# KiCad board data-center-rdimm-ddr4-tester.kicad_pcb (continued)
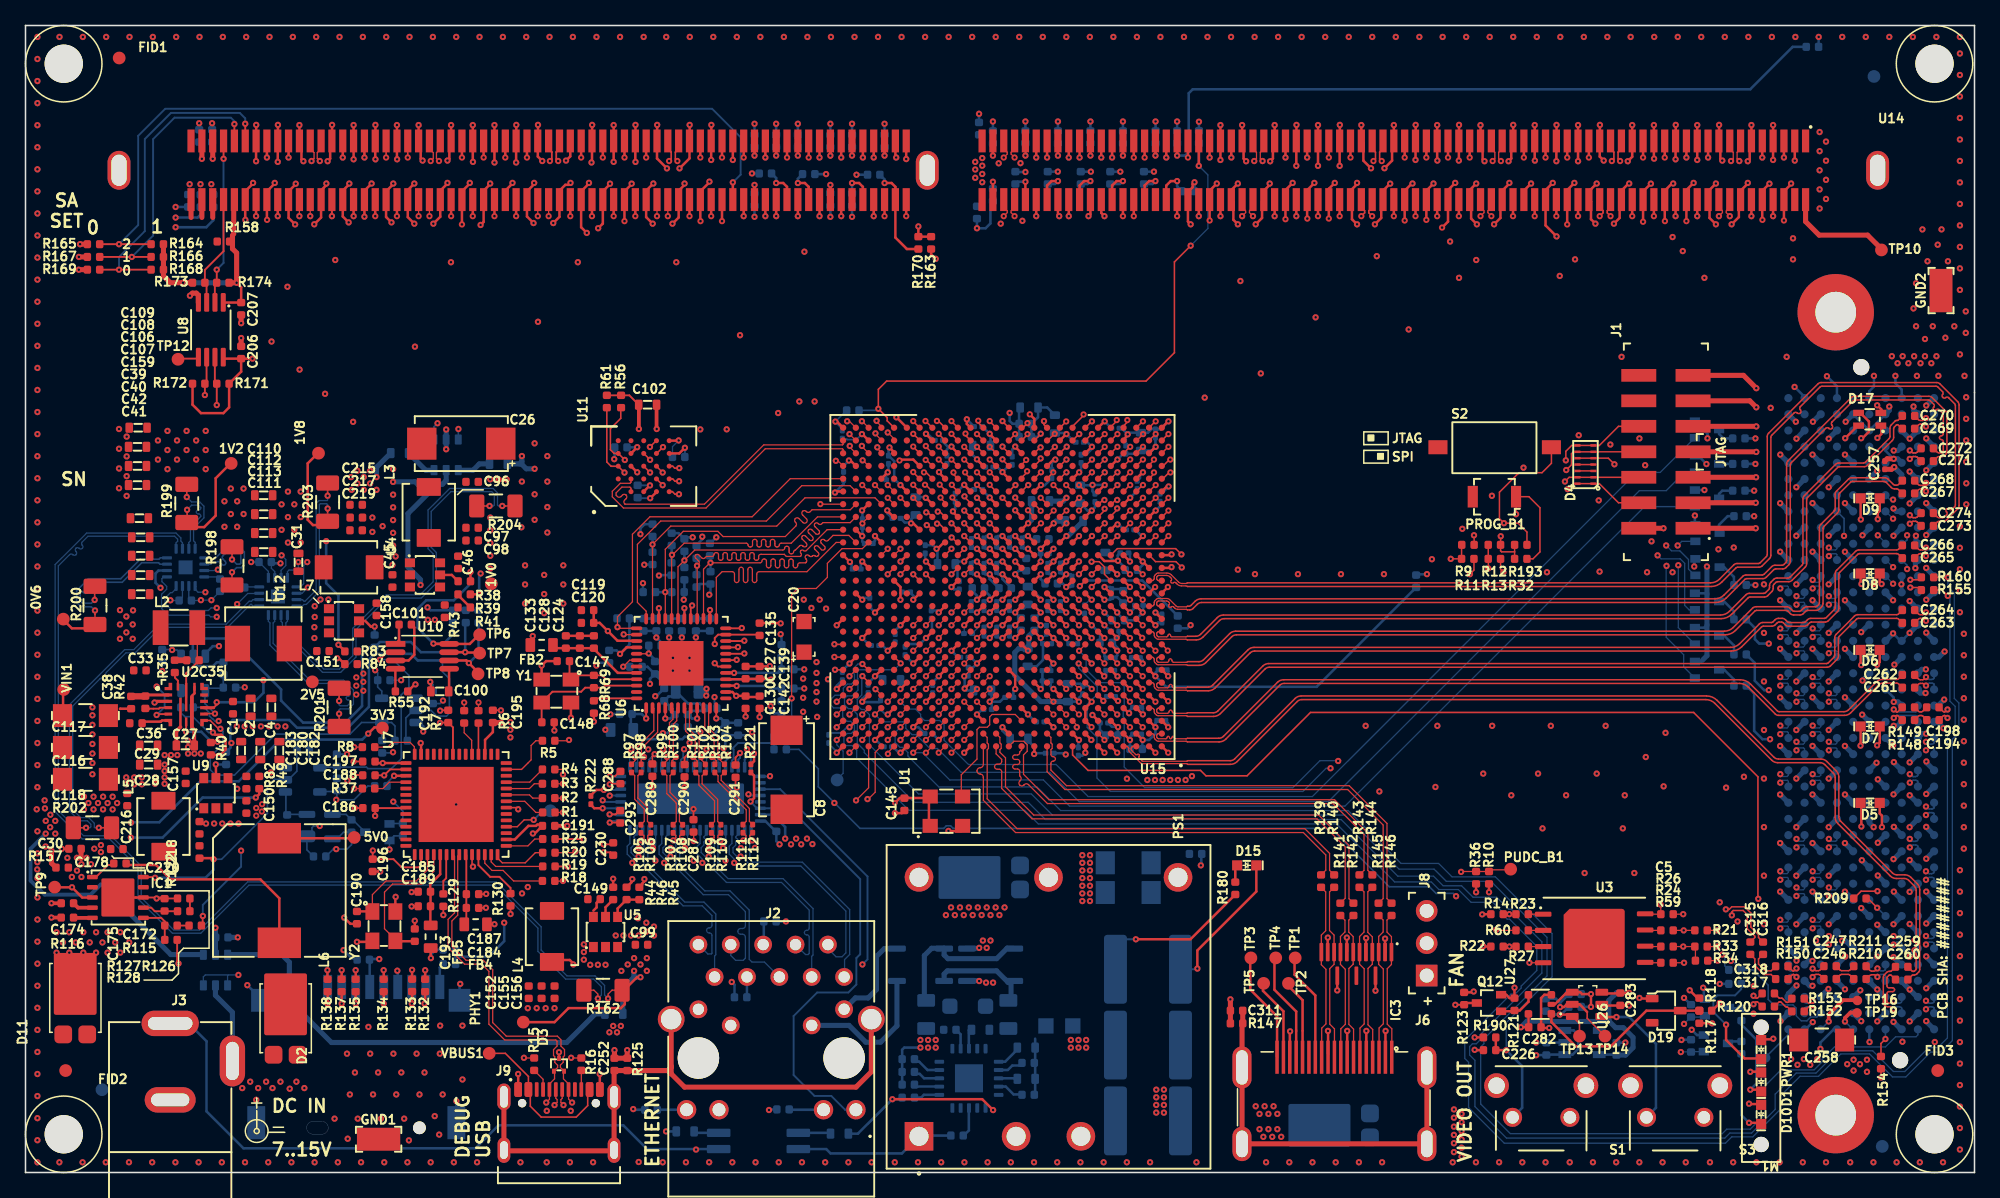
[diagram p0: board, top side]
## Routing (per net, layer and track width the routed paths; a pad name or vN(x,y) marks a point on that pad's centre or on a via; arc(x,y) is an arc through that point) (continued)
EXT_ETH4_N: length 104.8
  In7.Cu w0.1: v1(141.46,26.17) 141.28,25.99 141.03,25.99 140.11,25.08 138.56,25.08 138.23,25.4 136.96,25.4 134.57,27.79 94.49,27.79 93.92,27.22 78.82,27.22 78,26.4 77.54,26.4 arc(77.19,26.25) 77.04,25.9 77.04,25.49 arc(76.98,25.35) 76.84,25.29 arc(76.7,25.35) 76.64,25.49 76.64,27.01 arc(76.49,27.36) 76.14,27.51 arc(75.79,27.36) 75.64,27.01 75.64,25.49 arc(75.58,25.35) 75.44,25.29 arc(75.3,25.35) 75.24,25.49 75.24,27.01 arc(75.09,27.36) 74.74,27.51 arc(74.39,27.36) 74.24,27.01 74.24,25.49 arc(74.18,25.35) 74.04,25.29 arc(73.9,25.35) 73.84,25.49 73.84,27.01 arc(73.69,27.36) 73.34,27.51 arc(72.99,27.36) 72.84,27.01 72.84,26.6 arc(72.78,26.46) 72.64,26.4 72,26.4 71.18,27.22 68.1,27.22 65.73,24.85 58.59,24.85 58.14,24.4 56.85,24.4 arc(56.78,24.43) 56.75,24.5 56.75,24.52 arc(56.72,24.59) 56.65,24.62 arc(56.58,24.59) 56.55,24.52 56.55,24.5 arc(56.52,24.43) 56.45,24.4 56.2,24.4 56.09,24.51 v1(56.09,24.8)
  Bottom w0.1: 142.09,26.47 142.09,26.09 141.99,25.99 141.64,25.99 v1(141.46,26.17) ; v1(56.09,24.8) 55.81,24.8 55.5,25.1 55.5,25.48 55.71,25.69 55.71,25.94 arc(55.74,25.99) 55.79,26.01 arc(55.84,26.03) 55.86,26.09 55.86,26.14 arc(55.84,26.19) 55.79,26.21 arc(55.74,26.23) 55.71,26.29 55.71,26.34 55.91,26.54 55.91,26.85
EXT_ETH4_P: length 104.8
  In7.Cu w0.1: v1(141.46,25.51) 141.28,25.69 141.15,25.69 140.24,24.78 138.44,24.78 138.11,25.1 136.83,25.1 134.44,27.49 94.61,27.49 94.05,26.92 78.95,26.92 78.12,26.1 77.54,26.1 arc(77.4,26.04) 77.34,25.9 77.34,25.49 arc(77.19,25.14) 76.84,24.99 arc(76.49,25.14) 76.34,25.49 76.34,27.01 arc(76.28,27.15) 76.14,27.21 arc(76,27.15) 75.94,27.01 75.94,25.49 arc(75.79,25.14) 75.44,24.99 arc(75.09,25.14) 74.94,25.49 74.94,27.01 arc(74.88,27.15) 74.74,27.21 arc(74.6,27.15) 74.54,27.01 74.54,25.49 arc(74.39,25.14) 74.04,24.99 arc(73.69,25.14) 73.54,25.49 73.54,27.01 arc(73.48,27.15) 73.34,27.21 arc(73.2,27.15) 73.14,27.01 73.14,26.6 arc(72.99,26.25) 72.64,26.1 71.88,26.1 71.06,26.92 68.22,26.92 65.85,24.55 58.71,24.55 58.26,24.1 56.08,24.1 55.88,24.3 v1(55.6,24.3)
  Bottom w0.1: v1(55.6,24.3) 55.6,24.58 55.2,24.98 55.2,25.6 55.41,25.82 55.41,26.85 ; v1(141.46,25.51) 141.64,25.69 142.02,25.69 142.09,25.62 J5.G12
EXT_LED_LINK: length 101.6
  In7.Cu w0.15: v1(65.65,16.33) 67.76,16.33 68.89,15.2 73.72,15.2 74.22,15.7 76.55,15.7 77.05,15.2 85.94,15.2 90.34,19.6 92.06,19.6 93.62,21.16 95.46,21.16 96.88,22.58 130.15,22.58 134.62,18.1 138.7,18.1 139.4,17.4 140.97,17.4 v1(141.46,17.89)
  Bottom w0.1: 142.09,17.58 142.09,18 142.02,18.07 141.64,18.07 v1(141.46,17.89)
  Bottom w0.15: v1(65.65,16.33) 66.05,16.72 66.05,23.22 59.2,30.08 U16.23
EXT_LED_SPD: length 113.5
  In7.Cu w0.15: v1(141.46,18.55) 140.69,17.78 139.72,17.78 138.99,18.51 134.84,18.51 130.41,22.94 96.56,22.94 95.44,21.81 93.34,21.81 91.84,20.31 90.06,20.31 85.8,16.05 69.07,16.05 65.43,19.7 60.93,19.7 60.5,20.12 59.03,20.12 58.6,19.7 50.98,19.7 49.24,21.44 47.72,21.44 47.01,22.15 47.01,28.33 46.38,28.96 45.52,28.96 v1(45.27,29.2)
  Bottom w0.1: J5.G7 142.09,18.47 141.99,18.37 141.64,18.37 v1(141.46,18.55)
  Bottom w0.15: 46.69,29.08 45.4,29.08 v1(45.27,29.2)
FCS_B: length 61.4
  Top w0.1: R23.2 v1(116.39,20.27) R14.2 ; U15.C23 v1(66.64,34.94)
  In9.Cu w0.1: 116.42,23.43 111.91,27.94 84.26,27.94 80.6,31.6 67.12,31.6 66.64,32.09 66.64,33.19 66.2,33.62 66.2,34.1 66.64,34.53 v1(66.64,34.94) ; 116.42,20.28 116.42,23.43
FMC_IO_0: length 95.5
  Top w0.1: v3(74.64,41.94) U15.K15
  In5.Cu w0.09: v3(74.64,41.94) 75.03,42.33 76.8,42.33 77.13,42.01 77.13,41.68 77.56,41.25 81.65,41.25 82.37,40.53
  In5.Cu w0.1: v1(142.65,49.95) 142.25,49.55 141.05,49.55 140.65,49.15 140.03,49.15 139.63,48.75 138.4,48.75 137.94,48.29 137.14,48.29 136.3,47.45 134.75,47.45 132.2,44.9 96.9,44.9 96.23,44.23 arc(96.1,44.18) 95.98,44.23 95.89,44.32 arc(95.76,44.37) 95.64,44.32 arc(95.59,44.19) 95.64,44.07 96.07,43.64 arc(96.12,43.52) 96.07,43.39 arc(95.95,43.34) 95.82,43.39 95.39,43.82 arc(95.27,43.87) 95.15,43.82 arc(95.09,43.7) 95.15,43.58 95.58,43.15 arc(95.63,43.02) 95.58,42.9 arc(95.45,42.85) 95.33,42.9 94.9,43.33 arc(94.77,43.38) 94.65,43.33 arc(94.6,43.2) 94.65,43.08 95.08,42.65 arc(95.13,42.53) 95.08,42.4 arc(94.96,42.35) 94.83,42.4 94.4,42.83 arc(94.28,42.88) 94.16,42.83 arc(94.1,42.71) 94.16,42.59 94.59,42.16 arc(94.64,42.03) 94.59,41.91 arc(94.46,41.86) 94.34,41.91 93.91,42.34 arc(93.78,42.39) 93.66,42.34 arc(93.61,42.21) 93.66,42.09 94.09,41.66 arc(94.14,41.54) 94.09,41.41 arc(93.97,41.36) 93.84,41.41 93.41,41.84 arc(93.29,41.89) 93.17,41.84 arc(93.11,41.72) 93.17,41.6 93.6,41.17 arc(93.65,41.04) 93.6,40.92 arc(93.47,40.87) 93.35,40.92 92.92,41.35 arc(92.79,41.4) 92.67,41.35 arc(92.62,41.22) 92.67,41.1 93.1,40.67 arc(93.15,40.55) 93.1,40.42 arc(92.98,40.37) 92.85,40.42 92.42,40.85 arc(92.3,40.9) 92.18,40.85 arc(92.12,40.73) 92.18,40.61 92.61,40.18 arc(92.66,40.05) 92.61,39.93 arc(92.48,39.88) 92.36,39.93 91.93,40.36 arc(91.8,40.41) 91.68,40.36 arc(91.63,40.23) 91.68,40.11 92.11,39.68 arc(92.16,39.56) 92.11,39.43 arc(91.99,39.38) 91.86,39.43 91.77,39.52 arc(91.65,39.58) 91.52,39.52 91.45,39.45 91.36,39.45 arc(91.24,39.5) 91.19,39.62 91.19,40.12 arc(91.13,40.25) 91.01,40.3 arc(90.89,40.25) 90.84,40.12 90.84,38.78 arc(90.78,38.65) 90.66,38.6 arc(90.54,38.65) 90.49,38.78 90.49,39.28 arc(90.43,39.4) 90.31,39.45 arc(90.17,39.51) 90.11,39.65 90.11,40.1 arc(90.05,40.24) 89.91,40.3 arc(89.77,40.24) 89.71,40.1 89.71,39.65 arc(89.65,39.51) 89.51,39.45 89.34,39.45 88.26,40.53 82.37,40.53
  Bottom w0.127: 142.09,51.88 142.65,51.32 v1(142.65,49.95)
FMC_IO_1_N: length 85.5
  Top w0.1: U15.B16 v3(73.64,33.94)
  In5.Cu w0.1: v1(141.46,37.6) 141.64,37.42 141.99,37.42 142.3,37.11 142.3,36.54 141.91,36.15 140.74,36.15 140.44,36.45 139.45,36.45 139.22,36.22 137.52,36.22 137.14,36.6 132.35,36.6 arc(132.07,36.72) 131.95,37 131.95,37.15 arc(131.92,37.22) 131.85,37.25 131.65,37.25 arc(131.58,37.22) 131.55,37.15 131.55,36.35 arc(131.43,36.07) 131.15,35.95 130.95,35.95 arc(130.67,36.07) 130.55,36.35 130.55,36.75 130.55,36.75 130.55,37.15 arc(130.52,37.22) 130.45,37.25 130.25,37.25 arc(130.18,37.22) 130.15,37.15 130.15,37 arc(130.03,36.72) 129.75,36.6 102.06,36.6 94.41,28.95 77.04,28.95 76.68,29.31 arc(76.53,29.68) 76.68,30.05 76.96,30.33 arc(77.03,30.49) 76.96,30.65 arc(76.8,30.72) 76.64,30.65 76.36,30.37 arc(75.99,30.22) 75.62,30.37 75.2,30.79 75.2,31.1 arc(75.35,31.45) 75.7,31.6 75.9,31.6 arc(76.04,31.66) 76.1,31.8 arc(76.04,31.94) 75.9,32 75.7,32 arc(75.35,32.15) 75.2,32.5 75.2,33.01 73.92,34.29 73.71,34.29 73.64,34.21 v3(73.64,33.94)
  Bottom w0.1: v1(141.46,37.6) 141.64,37.42 141.99,37.42 142.09,37.53 J5.G22
FMC_IO_1_P: length 87.4
  Top w0.1: U15.C16 v3(73.64,34.94)
  In5.Cu w0.1: v1(141.46,36.94) 141.64,37.12 141.87,37.12 142,36.99 142,36.66 141.79,36.45 140.86,36.45 140.56,36.75 140.05,36.75 arc(139.94,36.79) 139.9,36.9 arc(139.86,37.01) 139.75,37.05 139.7,37.05 arc(139.59,37.01) 139.55,36.9 arc(139.51,36.79) 139.4,36.75 139.32,36.75 139.09,36.52 138.57,36.52 arc(138.43,36.58) 138.37,36.72 138.37,36.92 arc(138.31,37.06) 138.17,37.12 arc(138.03,37.06) 137.97,36.92 137.97,36.72 arc(137.91,36.58) 137.77,36.52 137.64,36.52 137.26,36.9 136.5,36.9 arc(136.38,36.95) 136.32,37.08 136.32,37.39 arc(136.27,37.52) 136.15,37.57 arc(136.03,37.52) 135.97,37.39 135.97,37.08 arc(135.92,36.95) 135.8,36.9 132.35,36.9 arc(132.28,36.93) 132.25,37 132.25,37.15 arc(132.13,37.43) 131.85,37.55 131.65,37.55 arc(131.37,37.43) 131.25,37.15 131.25,36.35 arc(131.22,36.28) 131.15,36.25 130.95,36.25 arc(130.88,36.28) 130.85,36.35 130.85,36.75 130.85,36.75 130.85,37.15 arc(130.73,37.43) 130.45,37.55 130.25,37.55 arc(129.96,37.43) 129.85,37.15 129.85,37 arc(129.82,36.93) 129.75,36.9 101.94,36.9 94.29,29.25 78.32,29.25 arc(78.15,29.32) 78.07,29.5 arc(78,29.68) 77.82,29.75 arc(77.65,29.68) 77.57,29.5 arc(77.5,29.32) 77.32,29.25 77.16,29.25 76.89,29.52 arc(76.83,29.68) 76.89,29.84 77.17,30.12 arc(77.33,30.49) 77.17,30.86 arc(76.8,31.02) 76.43,30.86 76.15,30.58 arc(75.99,30.52) 75.83,30.58 75.5,30.91 75.5,31.1 arc(75.56,31.24) 75.7,31.3 75.9,31.3 arc(76.25,31.45) 76.4,31.8 arc(76.25,32.15) 75.9,32.3 75.7,32.3 arc(75.56,32.36) 75.5,32.5 75.5,33.14 74.05,34.59 73.71,34.59 73.64,34.66 v3(73.64,34.94)
  Bottom w0.1: v1(141.46,36.94) 141.64,37.12 142.02,37.12 142.09,37.05 142.09,36.64
FMC_IO_2_N: length 82.4
  Top w0.1: U15.A19 v3(70.64,32.94)
  In5.Cu w0.1: v1(141.46,33.79) 141.64,33.61 142,33.61 142.35,33.26 142.35,32.79 141.86,32.3 138.39,32.3 137.94,32.75 136.69,32.75 135.84,33.6 127.94,33.6 127.21,34.33 104.04,34.33 96.66,26.95 75.81,26.95 70.99,31.78 70.99,32.89 70.94,32.94 v3(70.64,32.94)
  Bottom w0.1: v1(141.46,33.79) 141.64,33.61 141.99,33.61 142.09,33.72 J5.G19
FMC_IO_2_P: length 82
  Top w0.1: U15.A18 v3(71.64,32.94)
  In5.Cu w0.1: v1(141.46,33.13) 141.64,33.31 141.88,33.31 142.05,33.14 142.05,32.91 141.74,32.6 141.15,32.6 arc(141.03,32.65) 140.98,32.78 arc(140.93,32.9) 140.8,32.95 140.75,32.95 arc(140.63,32.9) 140.58,32.78 arc(140.53,32.65) 140.4,32.6 140.15,32.6 arc(139.99,32.67) 139.93,32.83 139.93,32.92 arc(139.86,33.08) 139.7,33.14 arc(139.54,33.08) 139.48,32.92 139.48,32.83 arc(139.41,32.67) 139.25,32.6 138.51,32.6 138.06,33.05 136.81,33.05 135.96,33.9 128.06,33.9 127.34,34.62 103.91,34.62 96.54,27.25 75.94,27.25 71.29,31.9 71.29,32.89 71.34,32.94 v3(71.64,32.94)
  Bottom w0.1: v1(141.46,33.13) 141.64,33.31 142.02,33.31 142.09,33.24 J5.G18
FMC_IO_3_N: length 84.1
  Top w0.1: U15.A17 v3(72.64,32.94)
  In5.Cu w0.09: v3(72.64,32.94) 72.64,33.21 72.78,33.34 73.85,33.34 74.4,32.79 74.4,32.59
  In5.Cu w0.1: 74.4,32.59 74.4,32.35 74.4,32.32 74.37,32.25 74.32,32.2 74.26,32.18 74.22,32.17 72.82,32.17 72.76,32.17 72.74,32.17 72.62,32.14 72.51,32.08 72.42,31.99 72.36,31.88 72.33,31.76 72.32,31.7 72.33,31.64 72.36,31.52 72.42,31.41 72.51,31.32 72.62,31.26 72.74,31.23 72.76,31.23 72.82,31.22 72.97,31.22 73.01,31.22 73.07,31.19 73.1,31.13 73.1,31.1 73.1,30.95 73.1,30.95 73.1,30.85 73.1,30.79 73.14,30.66 73.22,30.55 73.33,30.47 73.46,30.43 73.52,30.43 73.62,30.43 73.69,30.43 73.82,30.47 73.93,30.55 74.01,30.66 74.05,30.79 74.05,30.85 74.05,30.95 74.05,30.95 74.05,31.1 74.05,31.13 74.08,31.19 74.14,31.22 74.18,31.22 74.22,31.22 74.26,31.22 74.32,31.2 74.37,31.15 74.4,31.08 74.4,31.05 74.4,29.89 76.34,27.95 95.41,27.95 103.06,35.6 128.78,35.6 129.12,35.25 137.24,35.25 137.48,35.48 137.82,35.48 138.06,35.25 138.09,35.25 arc(138.2,35.21) 138.24,35.1 138.24,35.07 arc(138.28,34.96) 138.39,34.92 arc(138.5,34.96) 138.54,35.07 138.54,35.1 arc(138.58,35.21) 138.69,35.25 139.41,35.25 139.76,35.6 140.39,35.6 140.75,35.24 140.75,35.01 140.62,34.88 140.37,34.88 v1(140.19,35.06)
  Bottom w0.1: v1(140.19,35.06) 140.37,34.88 140.72,34.88 140.82,34.98 140.82,35.36
FMC_IO_3_P: length 84.5
  Top w0.1: U15.B17 v3(72.64,33.94)
  In5.Cu w0.09: v3(72.64,33.94) 72.64,33.67 72.76,33.55 73.94,33.55 74.7,32.79 74.7,32.59
  In5.Cu w0.1: v1(140.19,34.4) 140.37,34.58 140.74,34.58 141.05,34.89 141.05,35.36 140.51,35.9 139.64,35.9 139.29,35.55 138.18,35.55 137.95,35.78 137.35,35.78 137.12,35.55 129.3,35.55 128.95,35.9 102.94,35.9 95.29,28.25 76.46,28.25 74.7,30.01 74.7,31.05 arc(74.56,31.39) 74.22,31.53 74.18,31.53 arc(73.87,31.4) 73.75,31.1 73.75,30.95 73.75,30.95 73.75,30.85 arc(73.71,30.76) 73.62,30.73 73.52,30.73 arc(73.44,30.76) 73.4,30.85 73.4,30.95 73.4,30.95 73.4,31.1 arc(73.28,31.4) 72.97,31.53 72.8,31.53 arc(72.68,31.58) 72.62,31.7 arc(72.68,31.82) 72.8,31.88 74.22,31.88 arc(74.54,31.99) 74.7,32.29 74.7,32.59
  Bottom w0.1: 140.82,34.09 140.82,34.51 140.75,34.58 140.37,34.58 v1(140.19,34.4)
FMC_IO_4_N: length 83.4
  Top w0.1: v3(70.64,33.94) U15.B19
  In5.Cu w0.09: v3(70.64,33.94) 70.64,34.24 70.54,34.34 69.34,34.34 69.23,34.23 69.23,32.53 69.04,32.34 69.04,32.08 69.22,31.9 69.44,31.9 69.7,31.64 arc(69.74,31.61) 69.8,31.6 69.81,31.6
  In5.Cu w0.1: v1(140.19,31.25) 140.01,31.07 139.89,31.07 139.31,31.65 138.27,31.65 137.95,31.97 137.35,31.97 137.01,31.63 135.83,31.63 135.31,32.15 126.06,32.15 125.06,33.15 104.69,33.15 97.89,26.35 75.06,26.35 69.81,31.6
  Bottom w0.1: v1(140.19,31.25) 140.37,31.07 140.72,31.07 140.82,31.17 140.82,31.56
FMC_IO_4_P: length 85.3
  Top w0.1: v3(70.64,34.94) U15.C19
  In5.Cu w0.09: 69.57,31.39 69.57,31.42 arc(69.56,31.48) 69.53,31.53 69.36,31.7 69.14,31.7 68.84,32 68.84,32.42 69.03,32.62 69.03,33.16 arc(69,33.25) 68.91,33.29 arc(68.82,33.33) 68.78,33.41 68.78,33.46 arc(68.82,33.55) 68.91,33.59 arc(69,33.63) 69.03,33.71 69.03,34.31 69.26,34.54 69.82,34.54 arc(69.93,34.58) 69.97,34.69 arc(70.01,34.8) 70.12,34.84 arc(70.23,34.8) 70.27,34.69 arc(70.31,34.58) 70.42,34.54 70.54,34.54 70.64,34.64 v3(70.64,34.94)
  In5.Cu w0.1: v1(140.19,30.59) 140.01,30.77 139.77,30.77 139.19,31.35 138.15,31.35 137.82,31.67 137.48,31.67 137.13,31.33 135.71,31.33 135.19,31.85 125.94,31.85 124.94,32.85 104.81,32.85 98.01,26.05 74.92,26.05 70.07,30.9 arc(69.96,30.94) 69.86,30.9 69.82,30.87 arc(69.72,30.82) 69.61,30.87 arc(69.57,30.97) 69.61,31.08 69.64,31.11 arc(69.69,31.22) 69.64,31.32 69.57,31.39
  Bottom w0.1: v1(140.19,30.59) 140.37,30.77 140.75,30.77 140.82,30.7 140.82,30.28
FMC_IO_5_N: length 77.8
  Top w0.1: U15.C18 v1(71.64,34.94)
  In7.Cu w0.1: v1(71.64,34.94) 71.99,34.59 71.99,34.4 72.76,33.62 73.81,33.62 74.07,33.36 74.07,31.74 75.01,30.8 85.39,30.8 86.14,30.05 91.86,30.05 92.7,30.89 97.35,30.89 100.51,34.05 126.94,34.05 127.44,33.55 135.24,33.55 136.04,32.75 138.04,32.75 138.74,32.05 139.48,32.05 139.96,32.53 139.96,33.09 139.44,33.61 139.1,33.61 v1(138.92,33.79)
  Bottom w0.1: v1(138.92,33.79) 139.1,33.61 139.45,33.61 139.56,33.72 J5.J19
FMC_IO_5_P: length 79.5
  Top w0.1: U15.C17 v1(72.64,34.94)
  In7.Cu w0.1: v1(138.92,33.13) 139.1,33.31 139.32,33.31 139.66,32.97 139.66,32.66 139.35,32.35 138.86,32.35 138.16,33.05 137.3,33.05 arc(137.12,33.12) 137.05,33.3 137.05,33.35 arc(136.98,33.53) 136.8,33.6 arc(136.62,33.53) 136.55,33.35 136.55,33.3 arc(136.48,33.12) 136.3,33.05 136.16,33.05 135.96,33.25 arc(135.91,33.37) 135.96,33.5 136,33.54 arc(136.06,33.67) 136,33.79 arc(135.88,33.84) 135.76,33.79 135.71,33.75 arc(135.59,33.69) 135.47,33.75 135.36,33.85 127.56,33.85 127.06,34.35 100.39,34.35 97.23,31.19 92.58,31.19 91.74,30.35 86.26,30.35 85.51,31.1 75.14,31.1 74.38,31.86 74.38,33.49 74.33,33.53 arc(74.3,33.62) 74.33,33.7 74.37,33.74 arc(74.41,33.83) 74.37,33.92 arc(74.28,33.95) 74.19,33.92 74.16,33.88 arc(74.07,33.84) 73.98,33.88 73.94,33.92 73.84,33.92 arc(73.7,33.98) 73.65,34.12 73.65,34.53 arc(73.59,34.67) 73.44,34.72 arc(73.3,34.67) 73.25,34.53 73.25,34.12 arc(73.19,33.98) 73.04,33.92 72.89,33.92 72.84,33.97 arc(72.8,34.08) 72.84,34.18 arc(72.88,34.29) 72.84,34.4 arc(72.73,34.44) 72.63,34.4 arc(72.52,34.35) 72.42,34.4 72.29,34.53 72.29,34.59 v1(72.64,34.94)
  Bottom w0.1: J5.J18 139.56,33.24 139.48,33.31 139.1,33.31 v1(138.92,33.13)
FMC_IO_6_N: length 84.5
  Top w0.1: U15.D16 v3(73.64,36.94)
  In5.Cu w0.09: 76.34,36.07 76.34,36.09 arc(76.33,36.14) 76.3,36.19 76.2,36.29 arc(76.15,36.32) 76.09,36.33 76.08,36.33 arc(75.94,36.28) 75.88,36.13 75.88,35.78 arc(75.77,35.5) 75.48,35.39 arc(75.2,35.5) 75.09,35.78 75.09,36.13 arc(75.03,36.28) 74.88,36.33 74.47,36.33 74.47,36.33 74.29,36.33 74.03,36.59 74.03,36.88 73.97,36.94 v3(73.64,36.94)
  In5.Cu w0.1: v1(141.46,41.41) 141.64,41.23 141.98,41.23 142.55,40.66 142.55,40.14 142.06,39.65 141.29,39.65 140.94,40 138.34,40 138.04,40.3 135.26,40.3 134.06,39.1 100.56,39.1 93.34,31.88 86.36,31.88 85.46,30.97 82.85,30.97 arc(82.5,31.12) 82.35,31.47 82.35,31.65 arc(82.29,31.79) 82.15,31.85 arc(82.01,31.79) 81.95,31.65 81.95,31.47 arc(81.8,31.12) 81.45,30.97 arc(81.1,31.12) 80.95,31.47 80.95,31.65 arc(80.89,31.79) 80.75,31.85 arc(80.61,31.79) 80.55,31.65 80.55,31.47 arc(80.4,31.12) 80.05,30.97 79.51,30.97 79.14,31.34 79.14,31.75 77.97,32.91 77.97,34.44 76.34,36.07
  Bottom w0.1: 142.09,41.72 142.09,41.33 141.99,41.23 141.64,41.23 v1(141.46,41.41)
FMC_IO_6_P: length 84.6
  Top w0.1: U15.D15 v3(74.64,36.94)
  In5.Cu w0.09: v3(74.64,36.94) 74.31,36.94 74.24,36.86 74.24,36.67 74.37,36.53 74.88,36.53 arc(75.17,36.42) 75.28,36.13 75.28,35.78 arc(75.34,35.64) 75.48,35.58 arc(75.63,35.64) 75.69,35.78 75.69,36.13 arc(75.8,36.42) 76.08,36.53 76.13,36.53 arc(76.23,36.51) 76.32,36.46 76.45,36.33 arc(76.5,36.3) 76.55,36.28 76.56,36.28
  In5.Cu w0.1: v1(141.46,40.75) 141.64,40.93 141.86,40.93 142.25,40.54 142.25,40.26 141.94,39.95 141.41,39.95 141.06,40.3 141.06,40.3 arc(140.94,40.35) 140.89,40.47 140.89,40.49 arc(140.83,40.61) 140.71,40.67 arc(140.59,40.61) 140.54,40.49 140.54,40.47 arc(140.48,40.35) 140.36,40.3 140.02,40.3 arc(139.89,40.35) 139.84,40.47 arc(139.79,40.6) 139.67,40.65 arc(139.54,40.6) 139.49,40.47 arc(139.44,40.35) 139.32,40.3 138.46,40.3 138.16,40.6 135.14,40.6 133.94,39.4 100.44,39.4 93.21,32.17 86.24,32.17 85.33,31.27 82.85,31.27 arc(82.71,31.33) 82.65,31.47 82.65,31.65 arc(82.5,32) 82.15,32.15 arc(81.8,32) 81.65,31.65 81.65,31.47 arc(81.59,31.33) 81.45,31.27 arc(81.31,31.33) 81.25,31.47 81.25,31.65 arc(81.1,32) 80.75,32.15 arc(80.4,32) 80.25,31.65 80.25,31.47 arc(80.19,31.33) 80.05,31.27 79.64,31.27 79.44,31.46 79.44,31.87 78.27,33.04 78.27,34.57 77.62,35.22 arc(77.58,35.32) 77.62,35.43 77.64,35.44 arc(77.68,35.55) 77.64,35.66 arc(77.53,35.7) 77.43,35.66 77.41,35.64 arc(77.31,35.6) 77.2,35.64 77.07,35.77 arc(77.04,35.85) 77.07,35.94 arc(77.11,36.03) 77.07,36.12 77.04,36.15 arc(76.95,36.19) 76.86,36.15 arc(76.77,36.12) 76.68,36.15 76.56,36.28
  Bottom w0.1: v1(141.46,40.75) 141.64,40.93 142.02,40.93 142.09,40.86 J5.G24
FMC_IO_7_N: length 88.4
  Top w0.1: U15.G16 v3(73.64,38.94)
  In5.Cu w0.09: 86.63,36.63 86.58,36.63 arc(86.54,36.63) 86.51,36.6 86.26,36.35 83.93,36.35 82.95,37.34 82.33,37.34 arc(82.17,37.27) 82.1,37.11 82.1,36.77 arc(81.98,36.46) 81.68,36.34 arc(81.38,36.46) 81.25,36.77 81.25,37.11 arc(81.19,37.27) 81.03,37.34 80.34,37.34 80.04,37.64 80.04,38.45 79.83,38.66 arc(79.71,38.71) 79.58,38.66 79.58,38.66 78.76,37.83 78.76,37.83 78.75,37.83 78.69,37.76 arc(78.42,37.65) 78.16,37.76 arc(78.05,38.03) 78.16,38.29 78.22,38.36 78.22,38.36 78.51,38.65 78.51,38.65 78.91,39.05 79.05,39.19 arc(79.1,39.31) 79.05,39.44 78.7,39.79 78.64,39.79 arc(78.52,39.74) 78.47,39.61 78.46,39.61 78.46,39.17 arc(78.35,38.9) 78.09,38.8 arc(77.82,38.9) 77.71,39.17 77.71,39.61 77.72,39.61 arc(77.66,39.74) 77.54,39.79 arc(77.42,39.74) 77.37,39.61 77.37,38.56 arc(77.26,38.3) 76.99,38.19 arc(76.72,38.3) 76.62,38.56 76.62,38.64 arc(76.58,38.72) 76.49,38.76 76.39,38.76 arc(76.16,38.86) 76.06,39.08 arc(76.16,39.31) 76.39,39.41 76.49,39.41 arc(76.58,39.45) 76.62,39.53 76.62,39.61 arc(76.56,39.74) 76.44,39.79 76,39.79 arc(75.91,39.75) 75.88,39.67 75.88,39.59 arc(75.84,39.5) 75.75,39.47 arc(75.66,39.5) 75.63,39.59 75.63,39.67 arc(75.59,39.75) 75.5,39.79 75.46,39.79 75.01,39.34 73.71,39.34 73.64,39.27 v3(73.64,38.94)
  In5.Cu w0.1: v1(140.19,46.49) 140.37,46.31 140.6,46.31 140.73,46.44 140.73,46.45 140.9,46.62 140.9,46.89 140.79,47 139.86,47 139.46,46.6 138.68,46.6 arc(138.54,46.54) 138.48,46.4 138.48,46.11 arc(138.42,45.97) 138.28,45.91 arc(138.14,45.97) 138.08,46.11 138.08,46.4 arc(138.02,46.54) 137.88,46.6 137.78,46.6 137.2,46.01 137.2,45.68 136.71,45.2 135.71,45.2 133.11,42.6 98.06,42.6 92.39,36.93 86.92,36.93 86.63,36.63
  Bottom w0.1: v1(140.19,46.49) 140.37,46.31 140.72,46.31 140.82,46.42 140.82,46.8
FMC_IO_7_P: length 88
  Top w0.1: U15.H16 v3(73.64,39.94)
  In5.Cu w0.09: v3(73.64,39.94) 73.64,39.58 73.68,39.54 74.93,39.54 75.38,39.99 76.44,39.99 arc(76.71,39.88) 76.81,39.61 76.81,39.53 arc(76.72,39.31) 76.49,39.21 76.39,39.21 arc(76.3,39.17) 76.26,39.08 arc(76.3,39) 76.39,38.96 76.49,38.96 arc(76.72,38.86) 76.81,38.64 76.81,38.56 arc(76.87,38.44) 76.99,38.39 arc(77.11,38.44) 77.16,38.56 77.16,39.61 arc(77.27,39.88) 77.54,39.99 arc(77.81,39.88) 77.91,39.61 77.91,39.61 77.91,39.17 arc(77.96,39.05) 78.09,39 arc(78.21,39.05) 78.26,39.17 78.26,39.17 78.26,39.61 arc(78.37,39.88) 78.64,39.99 78.78,39.99 79.19,39.58 arc(79.3,39.31) 79.19,39.05 79.05,38.91 78.52,38.37 78.51,38.37 78.3,38.15 78.3,38.15 arc(78.25,38.03) 78.3,37.91 arc(78.42,37.85) 78.54,37.91 78.54,37.91 78.55,37.91 79.44,38.8 arc(79.71,38.91) 79.97,38.8 80.24,38.53 80.24,37.72 80.42,37.54 81.03,37.54 arc(81.33,37.42) 81.46,37.11 81.46,36.77 arc(81.52,36.61) 81.68,36.54 arc(81.84,36.61) 81.91,36.77 81.91,37.11 arc(82.03,37.42) 82.33,37.54 83.03,37.54 84.02,36.55 86.17,36.55 86.38,36.76 arc(86.41,36.8) 86.41,36.83 86.41,36.85
  In5.Cu w0.1: 86.41,36.85 86.8,37.23 92.27,37.23 97.94,42.9 132.99,42.9 135.59,45.5 136.59,45.5 136.9,45.81 136.9,46.14 137.66,46.9 139.34,46.9 139.74,47.3 140.91,47.3 141.2,47.01 141.2,46.49 141.03,46.32 141.03,46.32 140.72,46.01 140.37,46.01 v1(140.19,45.83)
  Bottom w0.1: 140.82,45.53 140.82,45.94 140.75,46.01 140.37,46.01 v1(140.19,45.83)
FMC_IO_8_N: length 83.3
  Top w0.1: U15.F15 v3(75.64,38.94)
  In5.Cu w0.09: 83.42,34.78 83.41,34.77 arc(83.38,34.75) 83.34,34.74 82.88,34.74 82.68,34.54 80.81,34.54 80.8,34.55 80.8,34.54 80.47,34.54 80.47,34.55 80.4,34.55 80.18,34.77 80.18,35.47 79.84,35.81 arc(79.8,35.91) 79.84,36.02 80.12,36.3 arc(80.22,36.54) 80.12,36.79 arc(79.87,36.89) 79.63,36.79 79.35,36.51 arc(79.24,36.47) 79.14,36.51 arc(79.09,36.62) 79.14,36.73 79.38,36.97 arc(79.48,37.22) 79.38,37.46 arc(79.13,37.57) 78.88,37.46 78.64,37.22 arc(78.54,37.18) 78.43,37.22 78.32,37.33 77.42,37.33 76.64,38.11 76.36,38.11 75.93,38.54 75.4,38.54 75.23,38.71 75.23,38.83 75.34,38.94 v3(75.64,38.94)
  In5.Cu w0.1: 83.42,34.78 84.16,34.78 84.56,34.38 84.66,34.38 arc(84.8,34.44) 84.86,34.58 84.86,34.65 arc(84.91,34.79) 85.06,34.85 arc(85.2,34.79) 85.26,34.65 85.26,34.58 arc(85.31,34.44) 85.46,34.38 85.89,34.38 86.37,34.86 87.99,34.86 88.5,34.35 89.25,34.35 arc(89.57,34.22) 89.71,33.9 89.71,33.75 arc(89.75,33.64) 89.85,33.6 89.91,33.6 arc(90.01,33.64) 90.06,33.75 90.06,35.47 arc(90.19,35.81) 90.53,35.95 arc(90.87,35.81) 91,35.47 91,34.53 arc(91.06,34.4) 91.18,34.35 91.39,34.35 98.69,41.65 133.24,41.65 135.99,44.4 138.49,44.4 138.75,44.14 139.09,44.14 139.34,44.39 139.34,44.4 140.34,44.4 140.98,45.04 141.28,45.04 v1(141.46,45.22)
  Bottom w0.1: v1(141.46,45.22) 141.64,45.04 141.99,45.04 142.09,45.14 J5.G28
FMC_IO_8_P: length 83
  Top w0.1: U15.G15 v3(74.64,38.94)
  In5.Cu w0.09: 83.42,34.48 83.39,34.51 arc(83.36,34.53) 83.32,34.54 82.96,34.54 82.77,34.35 80.32,34.35 79.98,34.69 79.98,35.39 79.7,35.67 arc(79.6,35.91) 79.7,36.16 79.98,36.44 arc(80.02,36.54) 79.98,36.65 arc(79.87,36.69) 79.77,36.65 79.49,36.37 arc(79.24,36.27) 79,36.37 arc(78.89,36.62) 79,36.87 79.24,37.11 arc(79.28,37.22) 79.24,37.32 arc(79.13,37.37) 79.03,37.32 78.78,37.08 arc(78.54,36.98) 78.29,37.08 78.24,37.13 77.34,37.13 76.56,37.91 76.28,37.91 75.85,38.34 75.32,38.34 75.03,38.63 75.03,38.83 74.92,38.94 v3(74.64,38.94)
  In5.Cu w0.1: 83.42,34.48 84.04,34.48 84.44,34.08 86.01,34.08 86.49,34.56 87.87,34.56 88.38,34.05 89.25,34.05 arc(89.36,34.01) 89.41,33.9 89.41,33.75 arc(89.54,33.43) 89.85,33.3 89.91,33.3 arc(90.22,33.43) 90.35,33.75 90.35,35.47 arc(90.41,35.6) 90.53,35.65 arc(90.65,35.6) 90.71,35.47 90.71,34.53 arc(90.84,34.19) 91.18,34.05 91.51,34.05 98.81,41.35 133.36,41.35 136.11,44.1 138.36,44.1 138.62,43.84 139.22,43.84 139.48,44.1 140.46,44.1 141.1,44.74 141.28,44.74 v1(141.46,44.56)
  Bottom w0.1: v1(141.46,44.56) 141.64,44.74 142.02,44.74 142.09,44.67 J5.G27
FMC_IO_9_N: length 87.4
  Top w0.1: U15.J16 v3(73.64,40.94)
  In5.Cu w0.09: v3(73.64,40.94) 73.65,40.95 73.97,40.95 74.04,41.02 74.04,41.26 74.32,41.54 75.17,41.54 75.42,41.29 75.42,40.74 75.63,40.53 75.7,40.53 arc(75.81,40.57) 75.85,40.68 75.85,40.93 75.85,40.93 75.85,41.09 arc(75.95,41.33) 76.2,41.44 arc(76.45,41.33) 76.55,41.09 76.55,40.93 76.55,40.93 76.55,40.68 arc(76.59,40.57) 76.7,40.53 76.88,40.53 arc(76.95,40.56) 76.98,40.63 76.98,40.73 arc(77.07,40.94) 77.28,41.03 77.38,41.03 arc(77.59,40.94) 77.68,40.73 77.68,40.63 arc(77.71,40.56) 77.78,40.53 77.88,40.53 arc(77.95,40.56) 77.98,40.63 77.98,40.73 arc(78.07,40.94) 78.28,41.03 78.38,41.03 arc(78.59,40.94) 78.68,40.73 78.68,40.63 arc(78.71,40.56) 78.78,40.53 79.07,40.53 79.13,40.47 arc(79.27,40.41) 79.41,40.47 79.86,40.92 arc(80.15,41.04) 80.43,40.92 arc(80.55,40.64) 80.43,40.36 79.98,39.91 arc(79.92,39.76) 79.98,39.62 80.41,39.19 arc(80.48,39.16) 80.55,39.19 80.56,39.2 arc(80.63,39.23) 80.7,39.2 arc(80.73,39.13) 80.7,39.06 80.69,39.05 arc(80.66,38.98) 80.69,38.91 80.95,38.65 81.02,38.65 arc(81.13,38.69) 81.17,38.8 81.17,40.6 arc(81.27,40.85) 81.52,40.95 arc(81.77,40.85) 81.87,40.6 81.87,38.8 arc(81.91,38.69) 82.02,38.65 82.07,38.65 arc(82.18,38.69) 82.22,38.8 82.22,39.15 arc(82.32,39.4) 82.57,39.5 arc(82.82,39.4) 82.92,39.15 82.92,38.8 arc(82.96,38.69) 83.07,38.65 83.12,38.65 83.53,39.06 arc(83.55,39.1) 83.56,39.13 83.56,39.16
  In5.Cu w0.1: 83.56,39.16 84.14,39.74 86.22,39.74 87.66,38.3 91.59,38.3 97.44,44.15 132.39,44.15 135.14,46.9 136.59,46.9 137.54,47.85 138.34,47.85 138.74,48.25 140.34,48.25 140.94,48.85 141.28,48.85 v1(141.46,49.03)
  Bottom w0.1: v1(141.46,49.03) 141.64,48.85 141.99,48.85 142.09,48.95 J5.G31
FMC_IO_9_P: length 86.8
  Top w0.1: U15.J15 v3(74.64,40.94)
  In5.Cu w0.09: 83.8,38.98 83.77,38.98 arc(83.73,38.97) 83.7,38.95 83.2,38.45 83.07,38.45 arc(82.82,38.55) 82.72,38.8 82.72,39.15 arc(82.68,39.26) 82.57,39.3 arc(82.46,39.26) 82.42,39.15 82.42,38.8 arc(82.32,38.55) 82.07,38.45 82.02,38.45 arc(81.77,38.55) 81.67,38.8 81.67,40.6 arc(81.63,40.71) 81.52,40.75 arc(81.41,40.71) 81.37,40.6 81.37,38.8 arc(81.27,38.55) 81.02,38.45 80.87,38.45 79.84,39.48 arc(79.72,39.76) 79.84,40.05 80.29,40.5 arc(80.35,40.64) 80.29,40.78 arc(80.15,40.84) 80,40.78 79.55,40.33 arc(79.27,40.21) 78.99,40.33 78.78,40.33 arc(78.57,40.42) 78.48,40.63 78.48,40.73 arc(78.45,40.8) 78.38,40.83 78.28,40.83 arc(78.21,40.8) 78.18,40.73 78.18,40.63 arc(78.09,40.42) 77.88,40.33 77.78,40.33 arc(77.57,40.42) 77.48,40.63 77.48,40.73 arc(77.45,40.8) 77.38,40.83 77.28,40.83 arc(77.21,40.8) 77.18,40.73 77.18,40.63 arc(77.09,40.42) 76.88,40.33 76.7,40.33 arc(76.45,40.43) 76.35,40.68 76.35,40.93 76.35,40.93 76.35,41.09 arc(76.31,41.19) 76.2,41.24 arc(76.09,41.19) 76.05,41.09 76.05,40.93 76.05,40.93 76.05,40.68 arc(75.95,40.43) 75.7,40.33 75.55,40.33 75.22,40.66 75.22,41.21 75.09,41.34 74.4,41.34 74.24,41.18 74.24,41.01 74.3,40.95 74.63,40.95 v3(74.64,40.94)